# Altium PCB PCB.PcbDoc
Units mm, origin at the board's own origin, x right, y up, seen from the top; angles counter-clockwise.
Board outline 160 x 130 mm, 2 copper layers (Top Layer, Bottom Layer); 86 components, 57 nets, 311 pads, 21 vias.
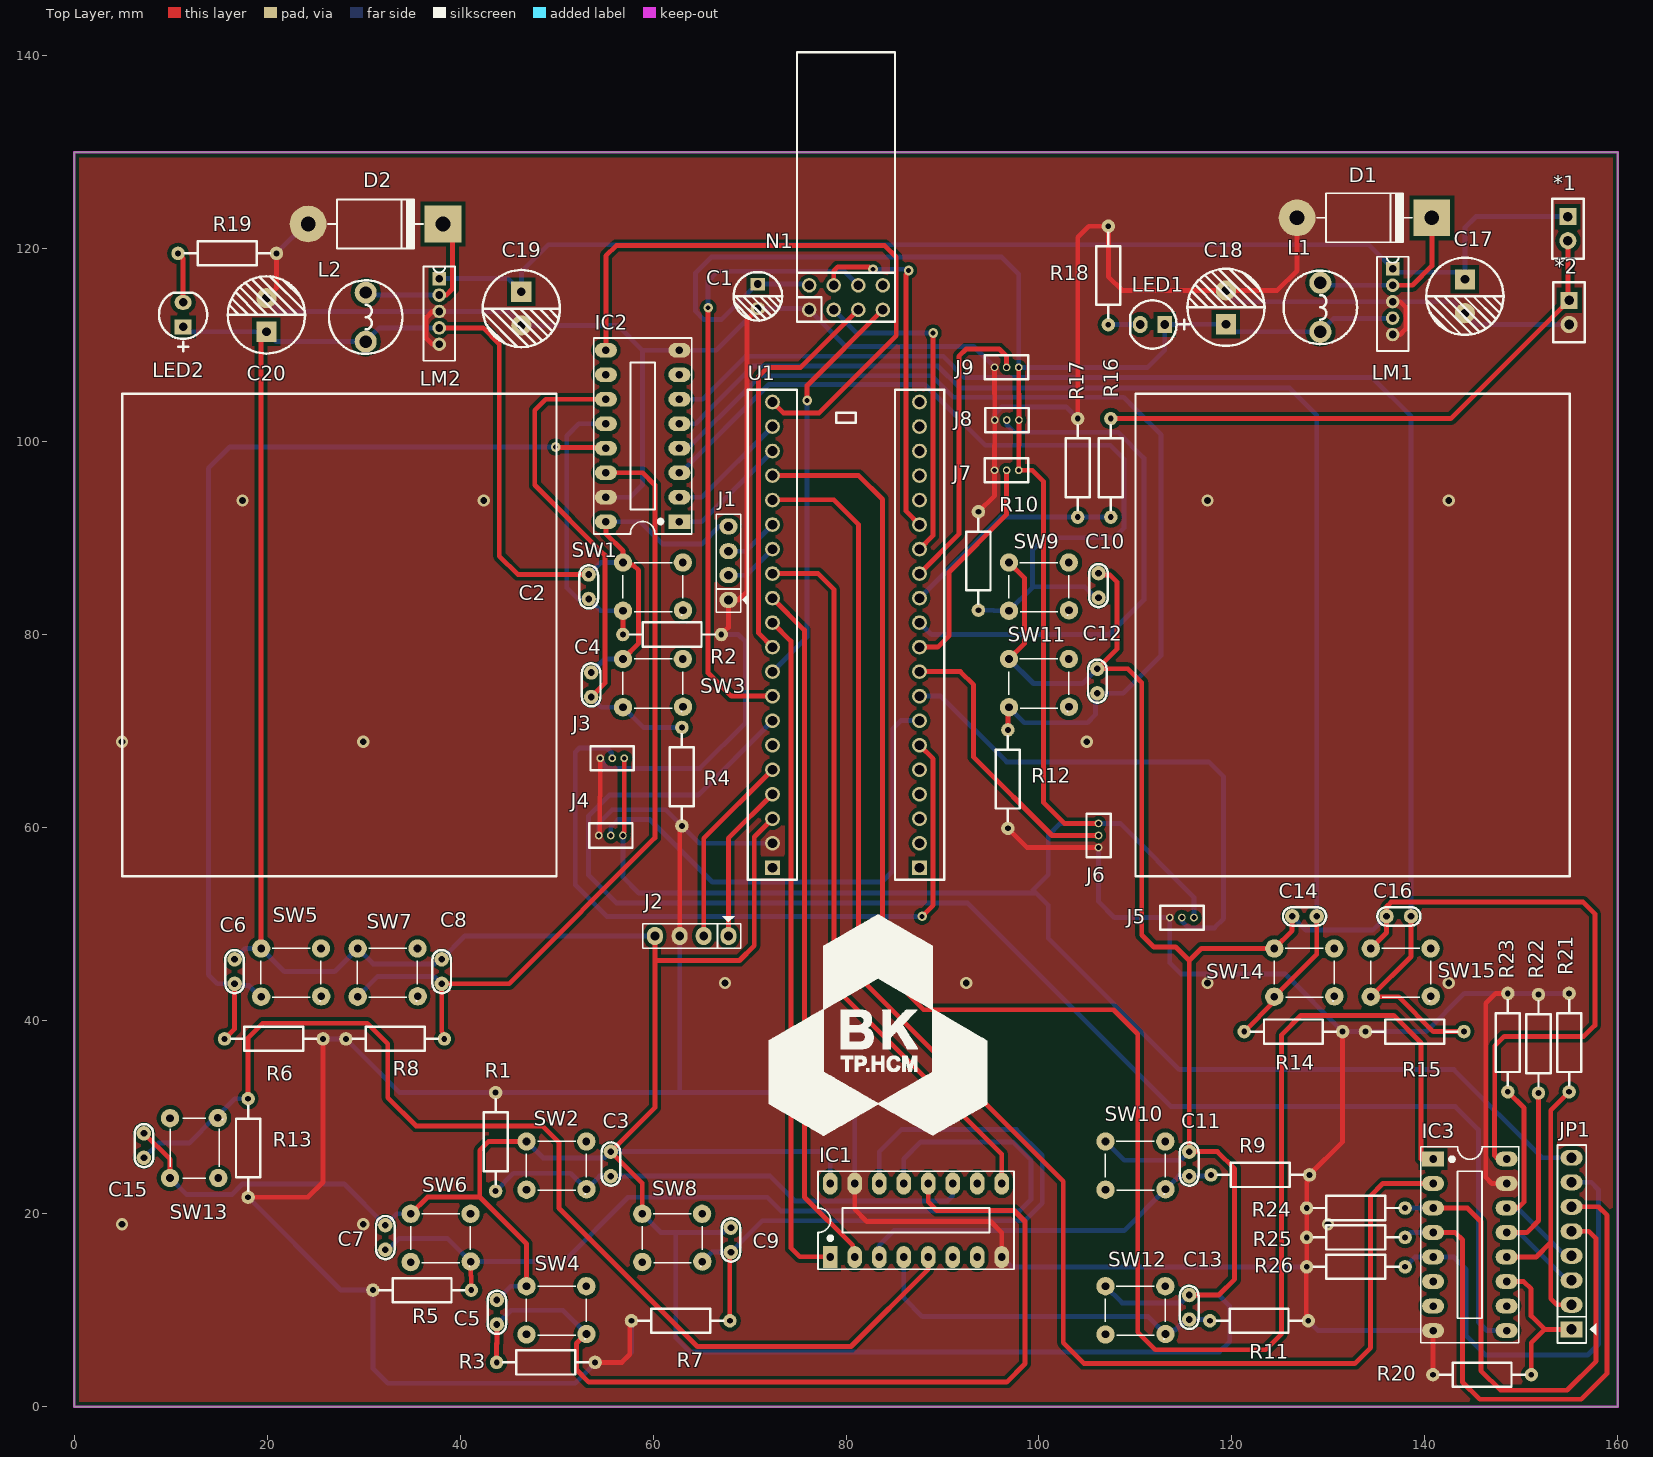
[diagram p0: Top Layer view]
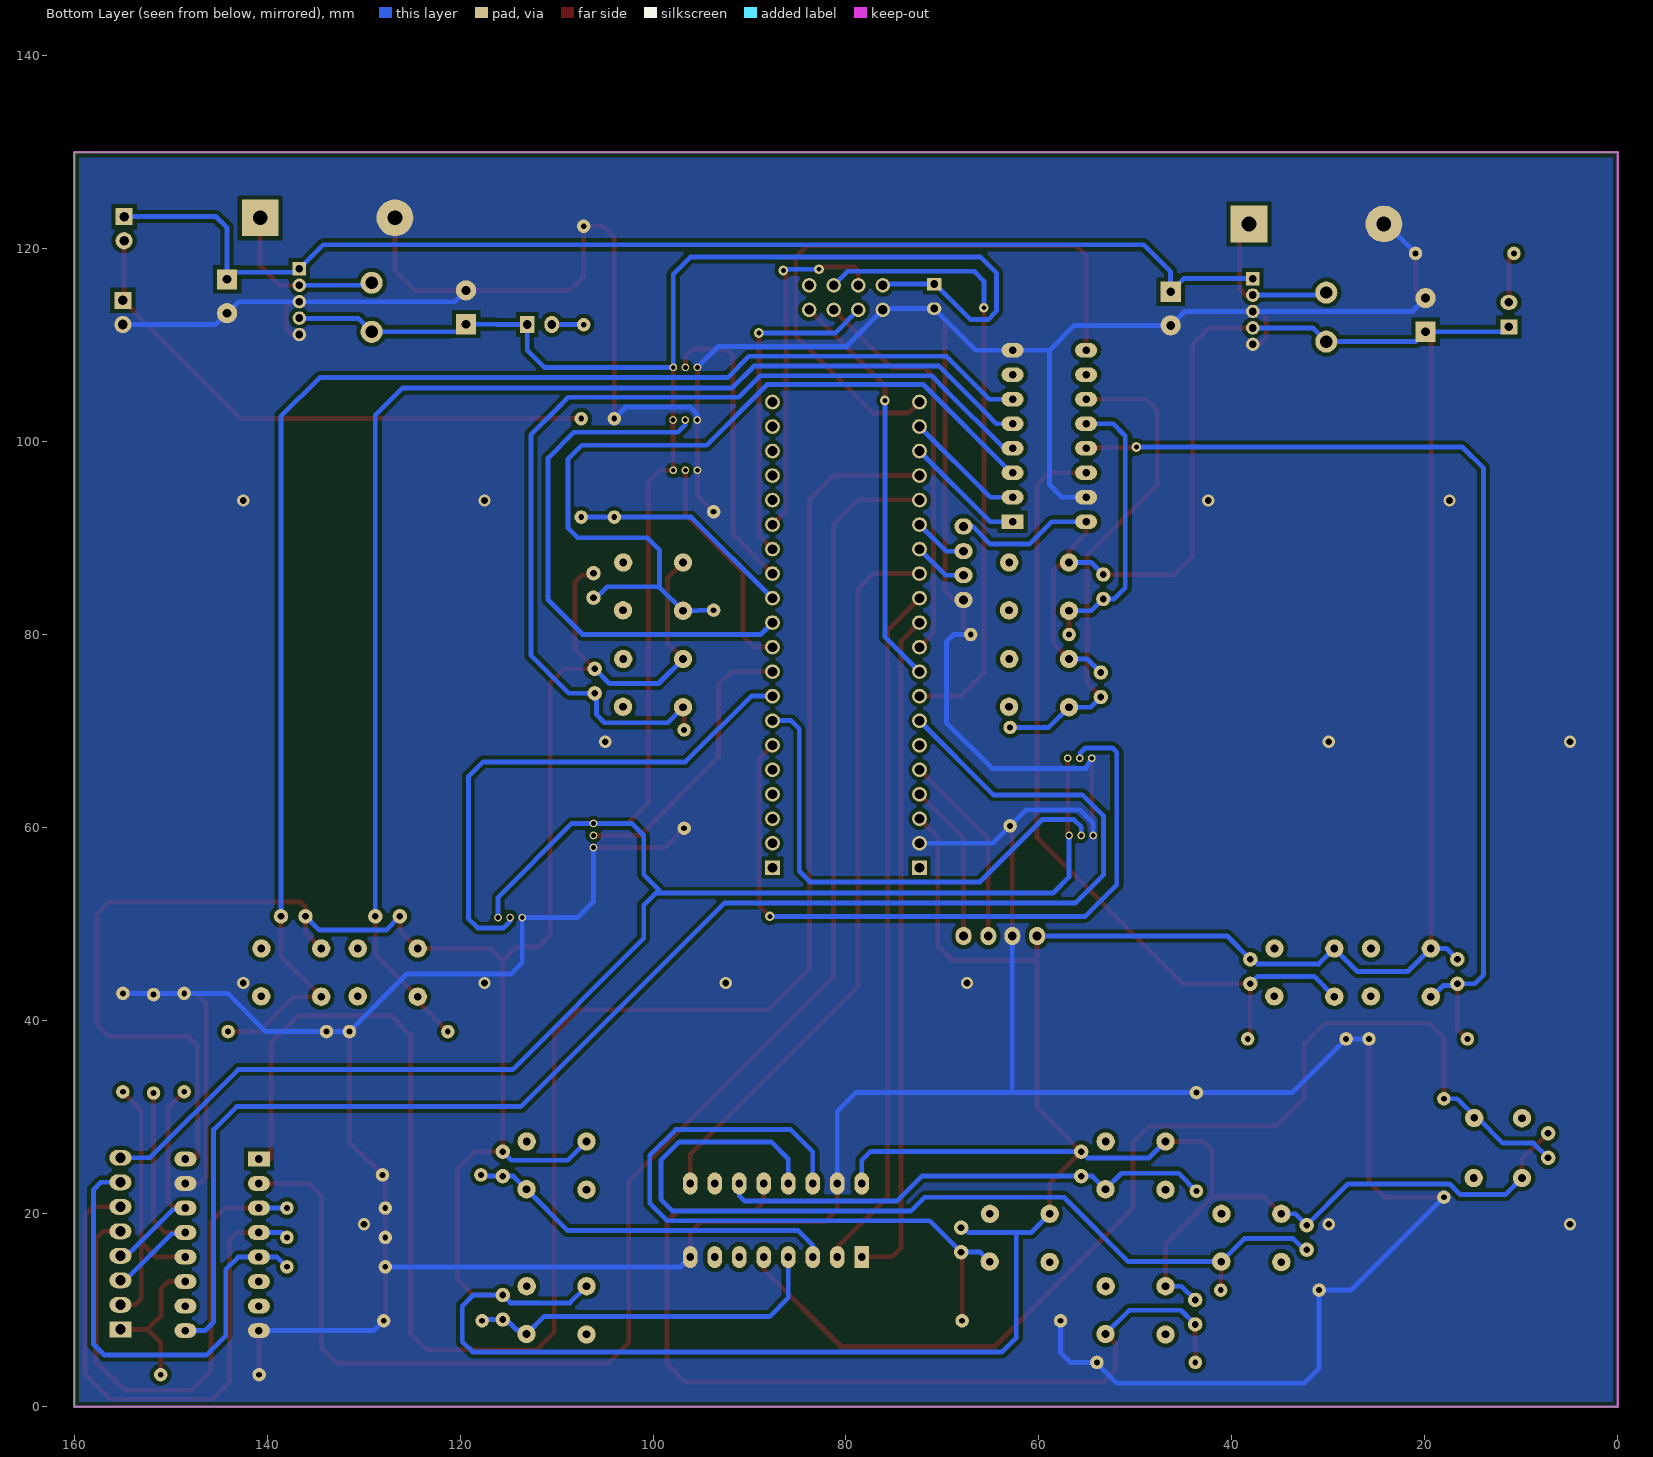
[diagram p1: Bottom Layer view, seen from below]
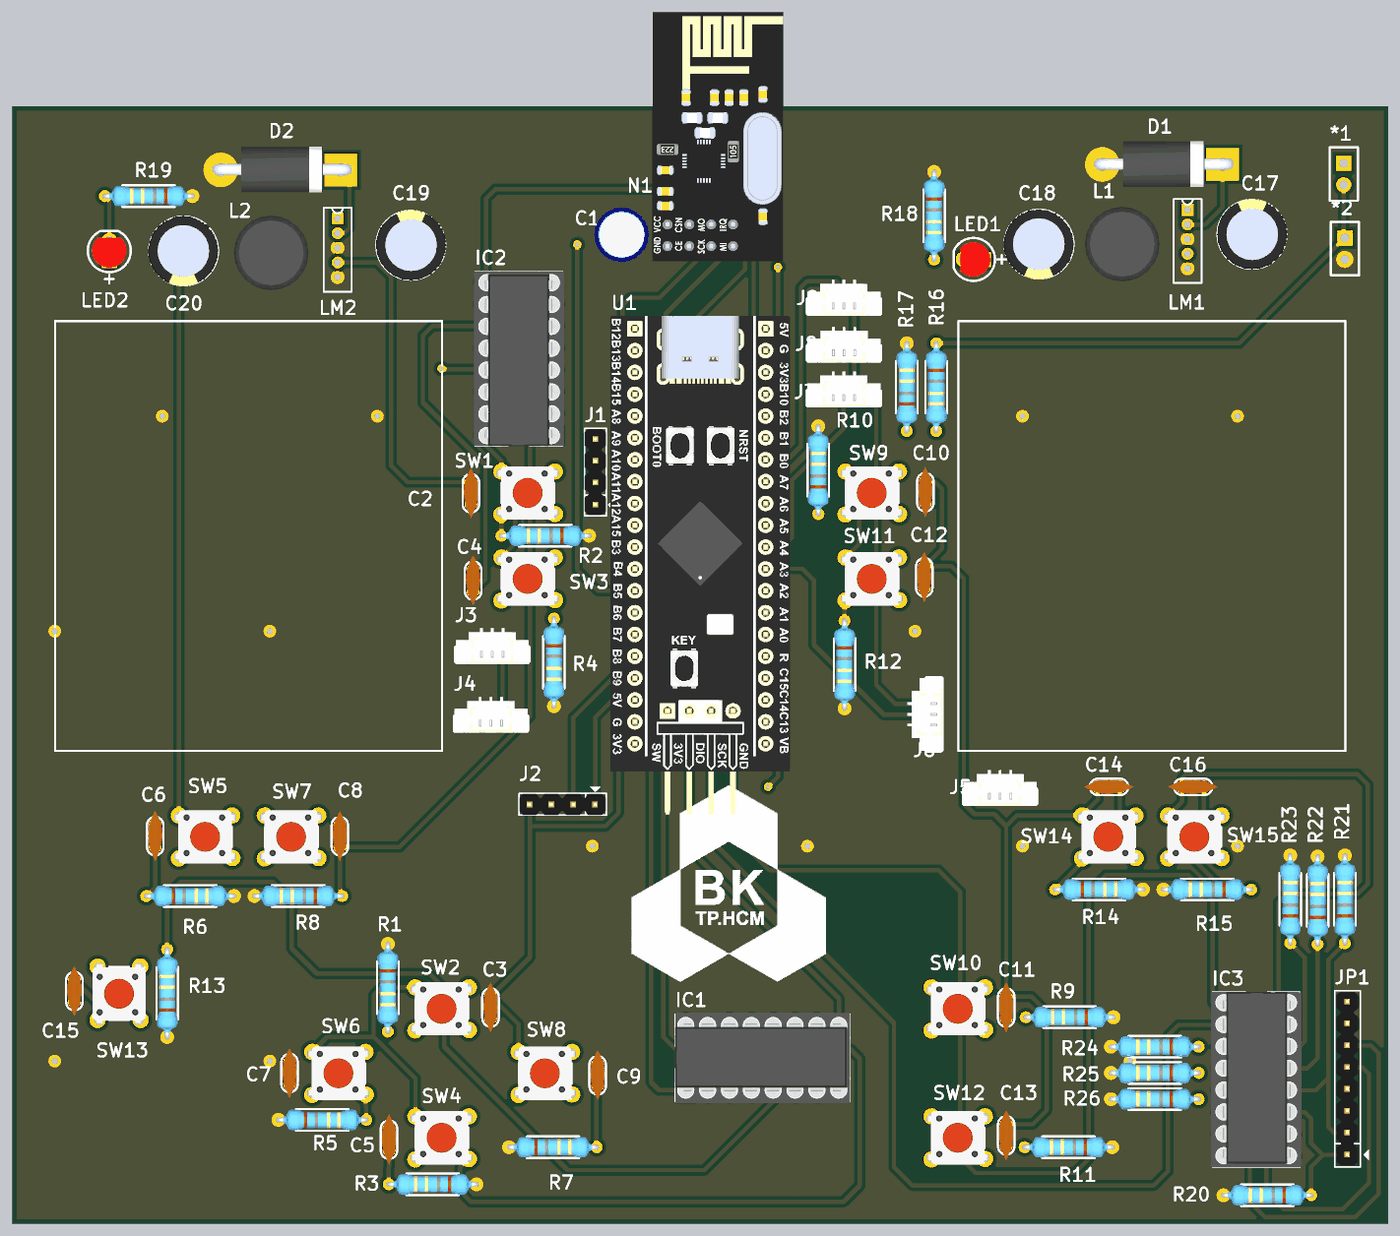
[diagram p2: 3D render of the assembled board from above, using the file's embedded part models]

## Layer stack, top to bottom
Top Solder: solder mask 0.0102, Solder Resist, Dk 3.5
Top Layer: signal copper 0.0356
Dielectric 1: dielectric 0.32, FR-4, Dk 4.8
Bottom Layer: signal copper 0.0356
Bottom Solder: solder mask 0.0102, Solder Resist, Dk 3.5

## Board outline
0,0 160,0 160,130 0,130

## Design rules (kind name [scope] priority, off if disabled: settings)
Clearance [All] p1: gap=0.4 ignorepadtopadclearanceinfootprint=FALSE
PlaneConnect [All] p1: planeconnectstyle=Direct reliefexpansion=0.508 reliefentries=4 reliefconductorwidth=0.254 reliefairgap=0.254
PolygonConnect [All] p1: connectstyle=Direct reliefconductorwidth=0.254 reliefentries=4 polygonreliefangle="90 Angle" airgapwidth=0.254
RoutingVias [All] p1: holewidth=0.5 width=1 viastyle="Through Hole" minholewidth=0 minwidth=0.5 maxholewidth=0.5 maxwidth=1
SolderMaskExpansion [All] p1: expansion=0.102 istentingtop=FALSE
Width [All] p1: maxlimit=1 minlimit=0.2 preferedwidth=0.5
29 further rules are at their usual default settings.

## Classes and differential pairs
component class SCH: *1 *2 C1 C2 C3 C4 C5 C6 C7 C8 C9 C10 C12 C15 C17 C18 C19 C20 D1 D2 IC1 IC2 J1 J2 J3 J4 J6 J7 J8 J9 L1 L2 LED1 LED2 LM1 LM2 N1 R1 R2 R3 R4 R5 R6 R7 R8 R10 R12 R13 R16 R17 R18 R19 SW1 SW2 SW3 SW4 SW5 SW6 SW7 SW8 SW9 SW11 SW13 U1

## Components (designator, comment, footprint, x,y, rotation, side; value= is the part's Value field where it differs from the comment)
*1 "SW_POWER" "jump don duc_2p" 154.737,121.97 r270 top
*2 "7.4V" "jump don duc_2p" 154.864,113.294 r270 top
C1 "100uF" "tu hoa 5mm" 70.866,115.09 r270 top
C2 "104" "tu gom" 53.34,84.991 r90 top
C3 "104" "tu gom" 55.626,25.174 r90 top
C4 "104" "tu gom" 53.594,74.831 r90 top
C5 "104" "tu gom" 43.815,9.807 r90 top
C6 "104" "tu gom" 16.637,45.113 r90 top
C7 "104" "tu gom" 32.258,17.554 r90 top
C8 "104" "tu gom" 38.1,45.113 r90 top
C9 "104" "tu gom" 68.072,17.3 r90 top
C10 "104" "tu gom" 106.172,85.118 r90 top
C11 "104" "tu gom" 115.57,25.174 r90 top
C12 "104" "tu gom" 106.045,75.212 r90 top
C13 "104" "tu gom" 115.57,10.315 r90 top
C14 "104" "tu gom" 127.508,50.828 r180 top
C15 "104" "tu gom" 7.239,27.079 r90 top
C16 "104" "tu gom" 137.287,50.828 r180 top
C17 "100uF" "tu hoa 8mm" 144.145,115.09 r270 top
C18 "1000uF" "tu hoa 8mm" 119.38,113.947 r90 top
C19 "100uF" "tu hoa 8mm" 46.355,113.82 r270 top
C20 "1000uF" "tu hoa 8mm" 19.939,113.157 r90 top
D1 "1N5822" D5A 140.716,123.218 r180 top value=1N5408
D2 "1N5822" D5A 38.227,122.583 r180 top value=1N5408
IC1 "74HC165" DIP16/W0.3 78.359,15.522 r0 top
IC2 "74HC165" DIP16/W0.3 62.738,91.722 r90 top
IC3 "74HC165" DIP16/W0.3 140.843,25.682 r270 top
J1 "2.54_4P" JP4 67.818,86.159 r90 top value="Jump Đơn Đực 2.54MM 1x40P Thẳng 11MM"
J2 "2.54_4P" JP4 65.278,48.796 r180 top value="Jump Đơn Đực 2.54MM 1x40P Thẳng 11MM"
J3 "1.25_4P" "ZH1.25 3P" 54.523,67.211 r90 top value="Jump Đơn Đực 2.54MM 1x40P Thẳng 11MM"
J4 "1.25_4P" "ZH1.25 3P" 54.376,59.21 r90 top value="Jump Đơn Đực 2.54MM 1x40P Thẳng 11MM"
J5 "1.25_4P" "ZH1.25 3P" 113.558,50.701 r90 top value="Jump Đơn Đực 2.54MM 1x40P Thẳng 11MM"
J6 "1.25_4P" "ZH1.25 3P" 106.172,57.96 r180 top value="Jump Đơn Đực 2.54MM 1x40P Thẳng 11MM"
J7 "1.25_4P" "ZH1.25 3P" 95.397,97.056 r90 top value="Jump Đơn Đực 2.54MM 1x40P Thẳng 11MM"
J8 "1.25_4P" "ZH1.25 3P" 95.417,102.263 r90 top value="Jump Đơn Đực 2.54MM 1x40P Thẳng 11MM"
J9 "1.25_4P" "ZH1.25 3P" 95.397,107.724 r90 top value="Jump Đơn Đực 2.54MM 1x40P Thẳng 11MM"
JP1 "2.54_8P" JP8 155.194,8.029 r90 top value="Jump Đơn Đực 2.54MM 1x40P Thẳng 11MM"
L1 "220uH" "CUON CAM 100uH3A" 129.159,113.947 r270 top
L2 "220uH" "CUON CAM 100uH3A" 30.226,112.931 r270 top
LED1 "LED 3mm Do" "LED 3mm Do" 111.76,112.169 r180 top
LED2 "LED 3mm Do" "LED 3mm Do" 11.303,113.185 r90 top
LM1 "3.3V" LM2576-5V 136.652,117.935 r0 top
LM2 "5V" LM2576-5V 37.846,116.919 r0 top
N1 "NRF24L01" NRF24L01 80,115 r90 top
R1 "10k" "tro vach 1/4w" 43.688,27.46 r90 top
R2 "10k" "tro vach 1/4w" 61.976,80.038 r0 top
R3 "10k" "tro vach 1/4w" 48.895,4.6 r0 top
R4 "10k" "tro vach 1/4w" 62.992,65.306 r90 top
R5 "10k" "tro vach 1/4w" 36.068,12.093 r180 top
R6 "10k" "tro vach 1/4w" 20.701,38.128 r180 top
R7 "10k" "tro vach 1/4w" 62.865,8.918 r180 top
R8 "10k" "tro vach 1/4w" 33.274,38.128 r0 top
R9 "10k" "tro vach 1/4w" 122.936,24.031 r0 top
R10 "10k" "tro vach 1/4w" 93.726,87.658 r270 top
R11 "10k" "tro vach 1/4w" 122.809,8.918 r0 top
R12 "10k" "tro vach 1/4w" 96.774,65.052 r90 top
R13 "10k" "tro vach 1/4w" 18.034,26.825 r270 top
R14 "10k" "tro vach 1/4w" 126.365,38.89 r180 top
R15 "10k" "tro vach 1/4w" 138.938,38.89 r0 top
R16 "51k" "tro vach 1/4w" 107.442,97.31 r90 top
R17 "33k" "tro vach 1/4w" 104.013,97.31 r270 top
R18 "33k" "tro vach 1/4w" 107.188,117.249 r90 top
R19 "33k" "tro vach 1/4w" 15.875,119.535 r0 top
R20 "10k" "tro vach 1/4w" 145.923,3.33 r0 top
R21 "10k" "tro vach 1/4w" 154.94,37.747 r270 top
R22 "10k" "tro vach 1/4w" 151.765,37.62 r270 top
R23 "10k" "tro vach 1/4w" 148.59,37.747 r270 top
R24 "10k" "tro vach 1/4w" 132.842,20.602 r0 top
R25 "10k" "tro vach 1/4w" 132.842,17.554 r0 top
R26 "10k" "tro vach 1/4w" 132.842,14.506 r0 top
SW1 "Nut Nhan 4 Chan" SW4 60,85 r0 top value="Nút Nhấn 4 Chân 6x6x9MM DIP"
SW2 "Nut Nhan 4 Chan" SW4 50,25 r0 top value="Nút Nhấn 4 Chân 6x6x9MM DIP"
SW3 "Nut Nhan 4 Chan" SW4 60,75 r0 top value="Nút Nhấn 4 Chân 6x6x9MM DIP"
SW4 "Nut Nhan 4 Chan" SW4 50,10 r0 top value="Nút Nhấn 4 Chân 6x6x9MM DIP"
SW5 "Nut Nhan 4 Chan" SW4 22.5,45 r0 top value="Nút Nhấn 4 Chân 6x6x9MM DIP"
SW6 "Nut Nhan 4 Chan" SW4 38,17.5 r0 top value="Nút Nhấn 4 Chân 6x6x9MM DIP"
SW7 "Nut Nhan 4 Chan" SW4 32.5,45 r0 top value="Nút Nhấn 4 Chân 6x6x9MM DIP"
SW8 "Nut Nhan 4 Chan" SW4 62,17.5 r0 top value="Nút Nhấn 4 Chân 6x6x9MM DIP"
SW9 "Nut Nhan 4 Chan" SW4 100,85 r0 top value="Nút Nhấn 4 Chân 6x6x9MM DIP"
SW10 "Nut Nhan 4 Chan" SW4 110,25 r0 top value="Nút Nhấn 4 Chân 6x6x9MM DIP"
SW11 "Nut Nhan 4 Chan" SW4 100,75 r0 top value="Nút Nhấn 4 Chân 6x6x9MM DIP"
SW12 "Nut Nhan 4 Chan" SW4 110,10 r0 top value="Nút Nhấn 4 Chân 6x6x9MM DIP"
SW13 "Nut Nhan 4 Chan" SW4 12.446,26.825 r90 top value="Nút Nhấn 4 Chân 6x6x9MM DIP"
SW14 "Nut Nhan 4 Chan" SW4 127.5,45 r0 top value="Nút Nhấn 4 Chân 6x6x9MM DIP"
SW15 "Nut Nhan 4 Chan" SW4 137.5,45 r0 top value="Nút Nhấn 4 Chân 6x6x9MM DIP"
U1 "STM32F401CCU6" STM32F401CCU6 80,80 r0 top locked

## Footprints (in the part's own frame and the unit in brackets; to place one, negate y for a bottom-side part, rotate by r counter-clockwise, add the part's x,y. Pads: shape width x height; smd on the part's side, far side on the other; paste and mask are expansions set on the pad)
"CUON CAM 100uH3A" [mil] "100uH3A"
  round 90 hole 50: 1(-100,0) 2(100,0)
  silkscreen extent -150,-150 150,150, body extent -171,-175 171,167, height 394
D5A [mil] "Diode 5A, W 200mil, L 550mil"
  round 150 hole 60: 1(550,0)
  rect 150x150 hole 60: 2(0,0)
  silkscreen extent 80,-100 470,100, body extent -52,-106 590,103, height 254
DIP16/W0.3 [mil] "16 PIN, W 300mil, Pin to pin 100mil"
  rect 60x90 hole 31: 1(0,0)
  oval 60x90 hole 31: 2(100,0) 3(200,0) 4(300,0) 5(400,0) 6(500,0) 7(600,0) 8(700,0) 9(700,300) 10(600,300) 11(500,300) 12(400,300) 13(300,300) 14(200,300) 15(100,300) 16(0,300)
  silkscreen extent -50,-50 750,350, body extent -52,-57 752,356, height 299
JP4 [mil] "Jumper 4"
  oval 65x75 hole 36: 1(-100,0) 2(1,0) 3(99,0) 4(200,0)
  silkscreen extent -150,-81 250,50, body extent -148,-48 248,50, height 323
JP8 [mil] "JP8"
  rect 65x90 hole 42: 1(0,0)
  oval 65x90 hole 42: 2(100,0) 3(200,0) 4(300,0) 5(400,0) 6(500,0) 7(600,0) 8(700,0)
  silkscreen extent -56,-100 752,57, body extent -48,-50 748,48, height 323
"jump don duc_2p" [mil]
  rect 70x70 hole 39.37 unplated: 1(-54.15,3)
  round 70 hole 39.37 unplated: 2(44.28,3)
  silkscreen extent -128,-61 117,67
"LED 3mm Do" [mil] "Footprintf LED phi 3"
  rect 60x70 hole 35: 1(-50,0)
  oval 60x70 hole 35: 2(50,0)
  silkscreen extent -150,-98 90,98, body extent -77,-78 60,78, height 205
LM2576-5V [mm]
  rect 1.4x1.4 hole 0.8 unplated: 1(0,0)
  round 1.4 hole 0.8: 2(0,-1.702) 3(0,-3.404) 4(0,-5.106) 5(0,-6.808)
  silkscreen extent -1.63,-8.51 1.64,1.25, body extent -1.86,-8.31 2.46,1.6, height 20.47
NRF24L01 [mm]
  round 1.5 hole 1: 1(-1.32,3.81) 2(1.22,3.81) 3(-1.32,1.27) 4(1.22,1.27) 5(-1.32,-1.27) 6(1.22,-1.27) 7(-1.32,-3.81) 8(1.22,-3.81)
  silkscreen extent -2.54,-5.08 25.4,5.08, body extent -3.07,-9.62 25.93,5.58, height 9.75
STM32F401CCU6 [mil]
  rect 60x60 hole 39.37: 1(300,-950) 47(-300,-950)
  round 60 hole 39.37: 2(300,-850) 3(300,-750) 4(300,-650) 7(300,650) 8(-300,-750) 9(-300,-850) 10(300,-450) 11(300,-350) 12(300,-250) 13(300,-150) 14(300,-50) 15(300,50) 16(300,150) 17(300,250) 18(300,-550) 19(300,350) 21(300,450) 22(300,550) 25(-300,950) 26(-300,850) 27(-300,750) 28(-300,650) 29(-300,550) 30(-300,450) 31(-300,350) 32(-300,250) 33(-300,150) 35(300,850) 36(300,950) 38(-300,50) 39(-300,-50) 40(-300,-150) 41(-300,-250) 42(-300,-350) 43(-300,-450) 45(-300,-550) 46(-300,-650) 48(300,750)
  silkscreen extent -400,-1000 400,1000, body extent -411,-1275 411,1008, height 390
SW4 [mil] "SW button 4pin, 250 x250 mil"
  round 75 hole 31: 1(-122.5,98.43) 2(122.5,-96.57) 3(121.59,98.43) 4(-122.5,-98.42)
  silkscreen extent -123,-117 121,98, body extent -158,-122 153,123, height 276
"tro vach 1/4w" [mm]
  round 1.4 hole 0.6: 1(-5.1,0) 2(5.1,0)
  silkscreen extent -4.39,-1.25 4.42,1.25, body extent -5.38,-1.2 5.38,1.2, height 2.41
"tu gom" [mm] "Tu gom mini"
  round 1.5 hole 0.7: 1(-1.27,0) 2(1.27,0)
  silkscreen extent -2.25,-0.97 2.22,0.97, body extent -2.92,-0.85 2.92,0.85, height 6.12
"tu hoa 5mm" [mm]
  rect 1.3x1.5 hole 0.8: 1(-1.27,0)
  oval 1.3x1.5 hole 0.8: 2(1.27,0)
  silkscreen extent -2.51,-2.51 2.51,2.51, body extent -3.12,-3.18 3.23,3.18, height 14.55
"tu hoa 8mm" [mm]
  rect 2.1x2.1 hole 0.9: 1(-1.75,0)
  round 2.1 hole 0.9: 2(1.75,0)
  silkscreen extent -4,-4 4,4, body extent -4.1,-4.07 4.1,4.13, height 13.81
"ZH1.25 3P" [mm]
  round 0.8 hole 0.5 unplated: 1(0,0)
  round 0.8 hole 0.5: 2(0,-1.25) 3(0,-2.5)
  silkscreen extent -1.25,-3.5 1.25,1, body extent -2.1,-5.75 2.1,3.15, height 4.7

## Part data
*1 *2: library part "jump don duc 2.54_2p"
C1: library part "Tu Hoa 100uF 25V 6x11", "Cắm", Chung_Loai=Cắm, Don_Vi=Con, Ma_Hang=MH001351, So_Chan=2, Ten_Linh_Kien="Tụ Hóa 100uF 25V 6x11MM"
C2 C3 C4 C5 C6 C7 C8 C9 C10 C11 C12 C13 C14 C15 C16: library part "Tu gom 104 50V", "Cắm", Chung_Loai=Cắm, Don_Vi=Con, Ma_Hang=MH004761, So_Chan=2, Ten_Linh_Kien="Tụ gốm 104 100nF 50V"
C17 C19: library part "Tu Hoa 100uF 50V 8x11", "Cắm", Chung_Loai=Cắm, Don_Vi=Con, Ma_Hang=MH006872, So_Chan=2, Ten_Linh_Kien="Tụ Hóa 100uF 50V 8x11MM"
C18 C20: library part "Tu Hoa 1000uF 16V 8x20", "Cắm", Chung_Loai=Cắm, Don_Vi=Con, Ma_Hang=MH008300, So_Chan=2, Ten_Linh_Kien="Tụ Hóa 1000uF 16V 8x20MM"
D1 D2: library part D5A, "Diode 5A"
IC1 IC2 IC3: "8-Bit Parallel In/Serial Out Shift Register"
J1 J2: library part "Jum Don Duc 2.54_4P", "Cắm", Chung_Loai=Cắm, Don_Vi=Con, Ma_Hang=MH000903
J3 J4 J5 J6 J7 J8 J9: library part "ZH1.25 3P", "Cắm", Chung_Loai=Cắm, Don_Vi=Con, Ma_Hang=MH000903
JP1: library part "Jum Don Duc 2.54_8P", "Cắm", Chung_Loai=Cắm, Don_Vi=Con, Ma_Hang=MH000903
L1 L2: library part "CUON CAM 470uH DIP", "Cắm", Chung_Loai=Cắm, Don_Vi=Con, Ma_Hang=MH002232, Ten_Linh_Kien="Cuộn Cảm 470uH 3A 8x10MM"
LED1 LED2 SW1 SW2 SW3 SW4 SW5 SW6 SW7 SW8 SW9 SW10 SW11 SW12 SW13 SW14 SW15: "Cắm", Don_Vi=Con
  LED1 LED2: Chung_Loai=Cắm, Ma_Hang=MH004931, Ten_Linh_Kien="LED 3MM Sáng Đỏ ( SS)"
  SW1 SW2 SW3 SW4 SW5 SW6 SW7 SW8 SW9 SW10 SW11 SW12 SW13 SW14 SW15: Ma_Hang=MH004077
LM1: library part LM2576_3.3V., "Cắm", Chung_Loai=Dán, Don_Vi=Con, Ma_Hang=MH001260, Ten_Linh_Kien="LM2576S-3.3V BUCK 3.3V 3A TO263-5"
LM2: library part LM2576_5V, "Cắm", Chung_Loai=Dán, Don_Vi=Con, Ma_Hang=MH001260, Ten_Linh_Kien="LM2576S-3.3V BUCK 3.3V 3A TO263-5"
R1 R2 R3 R4 R5 R6 R7 R8 R9 R10 R11 R12 R13 R14 R15 R16 R17 R18 R19 R20 R21 R22 R23 R24 R25 R26: library part "Tro Vach 1/4W 5% 10k", "Căm", Chung_Loai=Cắm, Don_Vi=Con, Ma_Hang=MH007354, So_Chan=2, Ten_Linh_Kien="Trở Vạch 1/4w 5% 10K"

## Via types
v1: diameter 1.27, hole 0.7, Top Layer to Bottom Layer, 14 vias
v2: diameter 1, hole 0.5, Top Layer to Bottom Layer, 7 vias

## Nets (pads, with @x,y where several pads share a name; then routed paths per layer and width w, separated by ;. In a path a pad name is that pad's centre, name@x,y a point inside that pad or via, vN(x,y) a via of type N, cw(c..) or ccw(c..) an arc to the next point about the centre after c; other vN are vias at no path point)
1: IC3.11 JP1.1 R20.2 | length 15.7
  Top Layer w0.5: IC3.11 150.241,12.982 151.003,12.22 151.003,9.426 152.41,8.019 ; R20.2 151.023,6.632 152.42,8.029 JP1.1
2: IC3.12 JP1.2 R21.2 | length 29.9
  Top Layer w0.5: IC3.12 151.511,15.522 153.035,17.046 ; R21.2 153.035,30.742 153.035,17.046 ; JP1.2 155.183,10.58 153.659,10.58 153.035,11.204 153.035,17.046
3: IC3.13 JP1.3 R22.2 | length 25.8
  Top Layer w0.5: IC3.13 150.548,18.062 151.765,19.279 R22.2
  Bottom Layer w0.5: IC3.13 148.588,17.937 149.858,17.937 154.686,13.109 JP1.3
3.3V: C1.1 C18.1 J3.3 J4.3 J5.3 J6.3 J7.3 J8.3 J9.3 JP1.8 L1.2 LED1.1 LM1.4 N1.2 | length 311.4
  Top Layer w0.5: J4.3 56.933,59.267 56.933,59.48 57.023,59.569 57.023,65.069 J3.3 ; J9.3 97.897,105.001 97.917,104.981 J8.3 97.917,99.667 97.897,99.647 J7.3 99.314,97.056 100.457,95.913 100.457,62.639 102.636,60.46 J6.3
  Bottom Layer w0.5: J4.3 56.876,54.912 58.547,53.241 99.718,53.241 ; N1.2 76.064,116.346 70.88,116.346 C1.1 70.766,116.36 70.366,115.96 67.083,112.677 65.281,112.677 64.417,113.541 64.417,117.531 66.04,119.154 96.139,119.154 97.897,117.396 J9.3 111.252,107.724 113.03,109.502 LED1.1 116.182,112.169 116.21,112.197 C18.1 120.17,111.407 L1.2 130.556,112.804 136.627,112.804 LM1.4 ; J5.3 116.058,52.806 108.404,60.46 J6.3 102.215,60.46 100.965,59.21 100.965,55.146 99.389,53.57 99.718,53.241 ; JP1.8 152.146,25.809 143.002,34.953 114.554,34.953 100.965,48.542 100.965,51.994 99.718,53.241
4: IC3.14 JP1.4 R23.2 | length 23
  Top Layer w0.5: IC3.14 149.634,20.602 150.269,21.237 150.269,30.968 R23.2
  Bottom Layer w0.5: IC3.14 148.651,20.414 149.794,20.414 154.339,15.869 154.974,15.869 JP1.4
5: IC3.3 JP1.5 R24.2 | length 53.5
  Top Layer w0.5: IC3.3 144.399,20.602 145.796,19.205 145.796,3.75 147.837,1.708 154.718,1.708 157.734,4.724 157.734,17.427 156.972,18.189 JP1.5
  Bottom Layer w0.5: R24.2 IC3.3
5V: C2.2 C3.2 C4.2 C5.2 C6.2 C7.2 C8.2 C9.2 C10.2 C11.2 C12.2 C13.2 C14.2 C15.2 C16.2 C20.1 IC1.16 IC2.16 IC3.16 J1.4 J2.4 L2.2 LED2.1 LM2.4 SW1.1 SW2.1 SW3.1 SW4.1 SW5.1 SW6.1 SW7.1 SW8.1 SW9.1 SW10.1 SW11.1 SW12.1 SW13.1 SW14.1 SW15.1 U1.8 | length 685.5
  Top Layer w0.5: C15.2 9.946,25.642 SW13.1 ; SW5.1 19.383,47.5 19.383,110.851 C20.1 ; SW6.1 36.633,21.745 42.037,21.745 ; LM2.4 42.393,111.813 44.072,110.134 44.072,88.163 45.974,86.261 C2.2 ; 42.09,21.745 42.037,21.745 ; SW4.1 46.889,16.893 42.037,21.745 ; SW2.1 42.966,27.5 42.037,26.571 42.037,21.745 ; IC2.16 55.118,90.495 56.888,88.725 SW1.1 57.157,87.231 57.958,87.231 58.499,86.69 58.499,79.11 SW3.1 ; SW8.1 58.888,23.182 C3.2 60.198,31.016 60.198,46.256 ; J2.4 60.198,46.256 ; U1.8 70.485,59.055 70.485,47.78 68.961,46.256 60.198,46.256 ; SW11.1 98.491,79.103 98.491,85.897 SW9.1 ; C10.2 106.363,86.197 107.379,86.197 108.077,85.499 108.077,78.514 C12.2 109.22,76.482 110.645,75.057 110.645,48.895 111.887,47.653 114.173,47.653 115.57,46.256 ; C13.2 118.618,11.585 120.269,13.236 120.269,24.666 118.491,26.444 C11.2 115.57,38.636 115.57,46.256 ; C14.2 126.238,49.35 SW14.1 116.814,47.5 115.57,46.256 ; SW15.1 136.017,49.128 C16.2 136.017,51.829 136.489,52.301 156.388,52.301 157.607,51.082 157.607,39.525 156.464,38.382 148.209,38.382 147.24,37.413 147.24,30.936 147.221,30.917 147.221,26.012 147.551,25.682 IC3.16
  Bottom Layer w0.5: SW13.1 11.66,21.999 16.36,21.999 17.452,23.091 27.991,23.091 C7.2 33.434,20 SW6.1 ; LED2.1 11.811,111.407 C20.1 20.955,110.391 L2.2 31.648,111.813 LM2.4 ; C6.2 17.754,47.5 SW5.1 21.775,45.113 27.002,45.113 SW7.1 30.991,45.897 37.344,45.897 37.829,46.383 C8.2 40.513,48.796 J2.4 ; C5.2 45.238,12.5 SW4.1 ; SW2.1 48.605,25.784 54.966,25.784 C3.2 77.47,26.444 78.359,25.555 IC1.16 ; C2.2 54.579,87.5 SW1.1 ; C4.2 54.993,77.5 SW3.1 ; IC2.16 58.674,91.722 60.986,89.41 65.052,89.41 66.881,91.239 J1.4 ; SW8.1 60.826,18.062 62.357,18.062 ; C9.2 67.801,18.57 67.293,18.062 62.357,18.062 ; SW11.1 99.43,74.958 104.521,74.958 C12.2 ; SW12.1 108.616,10.772 114.757,10.772 C13.2 118.618,11.585 119.761,10.442 119.761,6.759 118.694,5.692 63.805,5.692 62.357,7.14 62.357,18.062 ; SW10.1 108.833,25.555 114.681,25.555 C11.2 ; C14.2 127.66,49.406 134.595,49.406 C16.2
6: IC3.4 JP1.6 R25.2 | length 58.5
  Top Layer w0.5: IC3.4 143.129,18.062 143.891,17.3 143.891,2.568 145.682,0.777 156.197,0.777 158.877,3.457 158.877,19.84 157.988,20.729 JP1.6
  Bottom Layer w0.5: R25.2 138.45,18.062 IC3.4
7: IC3.5 JP1.7 R26.2 | length 48.3
  Bottom Layer w0.5: R26.2 138.958,15.522 IC3.5 143.005,15.522 144.275,14.252 144.275,7.369 146.281,5.362 156.845,5.362 157.988,6.505 157.988,22.507 157.226,23.269 JP1.7
B: C5.1 IC1.12 R3.1 SW4.2 | length 94.4
  Top Layer w0.5: R3.1 43.795,6.556 43.815,6.576 C5.1 ; SW4.2 53.022,7.547 52.07,6.595 52.07,3.838 53.34,2.568 96.647,2.568 98.552,4.473 98.552,19.205 97.409,20.348 89.408,20.348 88.519,21.237 IC1.12
  Bottom Layer w0.5: C5.1 45.281,10.003 50.656,10.003 SW4.2
BAT: *1.2 *2.1 R16.2 | length 58.8
  Top Layer w0.5: R16.2 142.681,102.41 *2.1 154.813,114.796 *1.2
CH1+: C2.1 IC2.12 R2.1 SW1.4 | length 29.6
  Top Layer w0.5: R2.1 56.876,81.257 56.888,81.27 SW1.4
  Bottom Layer w0.5: IC2.12 52.324,101.882 51.054,100.612 51.054,84.864 52.197,83.721 C2.1 54.561,82.5 SW1.4
CH1-: C4.1 IC2.11 R4.2 SW3.4 | length 51.9
  Top Layer w0.5: C4.1 55.019,74.986 55.019,88.265 47.752,95.532 47.752,103.279 48.895,104.422 IC2.11
  Bottom Layer w0.5: C4.1 54.655,72.5 SW3.4 58.982,70.406 R4.2
CH2+: C6.1 IC2.13 R6.2 SW5.4 | length 107.2
  Top Layer w0.5: R6.2 16.637,39.164 C6.1 ; v2(49.904,99.469) 49.967,99.405 55.054,99.405 IC2.13
  Bottom Layer w0.5: SW5.4 19.284,42.5 18.132,43.652 16.828,43.652 C6.1 14.859,43.843 13.923,44.779 13.923,97.263 16.129,99.469 v2(49.904,99.469)
CH2-: C8.1 IC2.14 R8.2 SW7.4 | length 86.3
  Top Layer w0.5: R8.2 38.202,38.3 38.202,38.769 38.1,38.871 C8.1 45.088,43.843 60.201,58.956 60.201,95.532 58.931,96.802 IC2.14
  Bottom Layer w0.5: SW7.4 31.494,44.605 37.307,44.605 38.069,43.843 C8.1
CH3+: C10.1 IC2.3 R10.2 SW9.4 | length 88.4
  Bottom Layer w0.5: IC2.3 62.865,96.802 72.009,105.946 88.143,105.946 94.442,99.647 107.391,99.647 108.816,98.222 108.816,91.087 107.8,90.071 100.612,90.071 99.342,88.801 99.342,84.954 SW9.4 95.336,82.5 95.278,82.558 R10.2 ; 99.342,84.991 104.758,84.991 105.901,83.848 C10.1
CH3-: C12.1 IC2.4 R12.2 SW11.4 | length 101.3
  Top Layer w0.5: R12.2 96.774,72.385 SW11.4
  Bottom Layer w0.5: IC2.4 62.934,99.538 63.823,99.538 69.596,105.311 71.131,106.846 88.889,106.846 91.11,104.625 108.763,104.625 109.982,103.406 112.649,100.739 112.649,77.879 108.712,73.942 C12.1 105.854,73.751 105.854,71.719 105.029,70.894 98.494,70.894 SW11.4
CH4+: C14.1 IC2.5 R14.2 SW14.4 | length 137.6
  Top Layer w0.5: R14.2 124.388,42.013 SW14.4 128.778,46.89 C14.1
  Bottom Layer w0.5: IC2.5 64.411,101.882 65.092,102.563 65.092,102.585 70.358,107.851 89.535,107.851 91.796,105.59 125.959,105.59 128.778,102.771 C14.1
CH4-: C16.1 IC2.6 R15.2 SW15.4 | length 153.3
  Top Layer w0.5: C16.1 138.557,46.668 SW15.4 137.264,42.5 140.874,38.89 R15.2
  Bottom Layer w0.5: IC2.6 65.151,104.422 69.596,108.867 90.061,108.867 92.271,106.657 134.544,106.657 138.557,102.644 C16.1
EXIT: C13.1 IC1.4 R11.1 SW12.2 | length 38.2
  Bottom Layer w0.5: IC1.4 85.979,11.283 87.912,9.35 111.309,9.35 SW12.2 113.492,7.547 113.906,7.961 114.105,7.961 114.819,8.675 114.929,8.675 115.299,9.045 117.582,9.045 R11.1
GND: *2.2 C1.2 C17.2 C18.2 C19.2 C20.2 D1.1 D2.1 IC1.8 IC1.15 IC2.8 IC2.15 IC3.8 IC3.15 J1.1 J2.3 J3.1 J4.1 J5.1 J6.1 J7.1 J8.1 J9.1 LM1.3 LM1.5 LM2.3 LM2.5 N1.1 R1.2 R2.2 R3.2 R4.1 R5.2 R6.1 R7.2 R8.1 R9.2 R10.1 R11.2 R12.1 R13.2 R14.1 R15.1 R17.1 R18.2 R19.2 R20.1 R21.1 R22.1 R23.1 R24.1 R25.1 R26.1 U1.9 | length 714
  Top Layer w0.5: R13.2 24.237,21.725 25.801,23.289 R6.1 ; C20.2 20.975,115.943 R19.2 ; LM2.5 37.112,110.111 36.477,110.746 36.477,112.88 37.112,113.515 LM2.3 ; R3.2 56.769,4.6 57.593,5.424 57.593,8.746 R7.2 ; J4.1 54.433,59.267 54.433,59.48 54.483,59.529 54.483,63.229 54.523,63.269 J3.1 ; J2.3 62.763,59.463 62.82,59.519 62.82,60.034 R4.1 ; R2.2 67.818,80.78 J1.1 68.862,83.619 69.726,84.483 69.726,112.68 C1.2 ; IC1.15 80.899,20.475 82.169,19.205 94.996,19.205 96.139,18.062 IC1.8 ; R10.1 95.397,94.429 J7.1 95.397,99.647 95.417,99.667 J8.1 95.417,104.981 95.397,105.001 J9.1 ; R12.1 98.766,57.96 J6.1 ; R17.1 104.013,121.186 105.176,122.349 R18.2 107.188,117.122 108.613,115.697 C18.2 124.686,115.697 126.746,117.757 D1.1 ; R11.2 127.737,9.09 127.737,9.614 127.689,9.661 127.689,14.454 R26.1 R25.1 R24.1 127.742,22.151 127.742,23.288 127.864,23.41 127.864,23.859 R9.2 131.465,27.46 R14.1 ; LM1.5 137.442,111.127 138.026,111.711 138.026,113.947 137.442,114.531 LM1.3 ; R20.1 140.823,5.591 140.843,5.611 IC3.8 ; IC3.15 146.942,23.142 146.307,23.777 146.307,41.814 147.34,42.847 R23.1
  Bottom Layer w0.5: R13.2 27.666,12.093 R5.2 30.968,3.985 32.512,2.441 51.943,2.441 53.995,4.493 R3.2 56.769,4.6 57.765,5.596 R7.2 ; C20.2 21.331,113.515 LM2.3 44.91,113.515 C19.2 56.337,112.07 58.905,109.502 ; R19.2 24.023,122.583 D2.1 ; R6.1 R8.1 33.742,32.56 R1.2 62.758,32.56 ; J4.1 54.376,60.5 55.753,61.877 61.321,61.877 R4.1 64.788,58.41 U1.9 ; J3.1 55.142,66.161 64.863,66.161 69.596,70.894 69.596,79.276 68.834,80.038 R2.2 ; IC2.15 57.635,94.262 58.905,95.532 58.905,109.502 ; J2.3 62.763,32.565 62.758,32.56 ; IC1.15 80.899,30.635 78.974,32.56 62.758,32.56 ; J9.1 93.238,109.883 79.987,109.883 N1.1 76.05,113.82 C1.2 66.548,109.502 IC2.8 58.905,109.502 ; J8.1 95.417,102.871 96.167,103.621 102.802,103.621 R17.1 ; IC1.8 97.155,14.506 R26.1 ; J6.1 106.172,52.352 107.823,50.701 J5.1 113.558,46.002 114.701,44.859 125.496,44.859 R14.1 R15.1 140.134,38.89 144.091,42.847 R23.1 151.638,42.847 R22.1 151.872,42.827 154.92,42.827 R21.1 ; C18.2 120.546,114.531 LM1.3 142.954,114.531 C17.2 145.316,112.169 *2.2 ; R11.2 128.925,7.902 IC3.8
  other v1: 4.962,18.932 29.962,18.932 129.962,18.932 67.462,43.932 92.462,43.932 117.462,43.932 142.462,43.932 4.962,68.932 29.962,68.932 104.962,68.932 17.462,93.932 42.462,93.932 117.462,93.932 142.462,93.932
L: C7.1 IC1.13 R5.1 SW6.2 | length 96.6
  Top Layer w0.5: SW6.2 41.111,13.597 41.168,13.541 R5.1
  Bottom Layer w0.5: C7.1 32.529,16.284 33.672,17.427 38.731,17.427 SW6.2 50.734,15.047 57.407,21.72 71.834,21.72 73.256,20.297 97.993,20.297 99.187,21.491 99.187,25.555 97.282,27.46 87.757,27.46 85.979,25.682 IC1.13
Net*1_1: *1.1 C17.1 C19.1 LM1.1 LM2.1 | length 128.1
  Bottom Layer w0.5: LM2.1 45.006,116.919 C19.1 46.355,117.63 49.149,120.424 134.163,120.424 137.004,117.583 143.402,117.583 C17.1 144.145,122.202 145.288,123.345 *1.1
NetD1_2: D1.2 L1.1 LM1.2 | length 17.5
  Top Layer w0.5: LM1.2 138.712,116.233 140.716,118.237 D1.2
  Bottom Layer w0.5: L1.1 129.413,116.233 LM1.2
NetD2_2: D2.2 L2.1 LM2.2 | length 17.1
  Top Layer w0.5: LM2.2 38.585,115.217 39.22,115.852 39.22,122.583 D2.2
  Bottom Layer w0.5: L2.1 30.48,115.217 LM2.2
NetLED1_2: LED1.2 R18.1 | length 3.3
  Bottom Layer w0.5: R18.1 108.816,112.149 108.836,112.169 LED1.2
NetLED2_2: LED2.2 R19.1 | length 5.3
  Top Layer w0.5: R19.1 11.303,119.007 LED2.2
OK: C11.1 IC1.3 R9.1 SW10.2 | length 38.6
  Bottom Layer w0.5: IC1.3 83.439,16.751 84.953,18.265 108.83,18.265 SW10.2 114.469,23.904 C11.1 117.709,23.904 R9.1
PA0: J3.2 U1.10 | length 74.6
  Top Layer w0.5: U1.10 89.032,67.158 89.032,51.976 v2(87.884,50.828)
  Bottom Layer w0.5: J3.2 55.716,67.268 55.716,67.756 55.194,68.278 52.375,68.278 51.943,67.846 51.943,54.082 55.197,50.828 v2(87.884,50.828)
PA1: J4.2 U1.11 | length 51.4
  Bottom Layer w0.5: J4.2 55.626,60.099 56.388,60.861 59.69,60.861 66.167,54.384 83.693,54.384 84.836,55.527 84.836,70.259 85.687,71.11 U1.11
PA2: J5.2 U1.12 | length 55.1
  Bottom Layer w0.5: U1.12 89.827,73.65 96.647,66.83 117.602,66.83 119.126,65.306 119.126,50.574 118.186,49.634 115.484,49.634 114.808,50.31 J5.2
PA3: J6.2 U1.13 | length 30
  Top Layer w0.5: U1.13 91.859,76.19 93.218,74.831 93.218,67.338 101.346,59.21 J6.2
PA4: J7.2 U1.14 | length 23.2
  Top Layer w0.5: U1.14 89.497,78.73 90.678,79.911 90.678,86.515 96.647,92.484 J7.2
PA5: J8.2 U1.15 | length 56.1
  Bottom Layer w0.5: U1.15 88.852,80.038 107.292,80.038 110.871,83.617 110.871,98.326 108.204,100.993 97.437,100.993 96.667,101.763 J8.2
PA6: R16.1 R17.2 U1.16 | length 23.3
  Bottom Layer w0.5: U1.16 96.02,92.21 R17.2 R16.1
PA7: J9.2 U1.17 | length 30.9
  Top Layer w0.5: U1.17 91.697,90.427 91.697,108.87 92.456,109.629 95.885,109.629 96.647,108.867 J9.2
PA8: IC3.2 U1.29 | length 159.8
  Top Layer w0.5: U1.29 72.418,94.008 78.74,94.008 81.28,91.468 81.28,44.605 102.517,23.368 102.517,6.632 104.676,4.473 132.715,4.473 134.366,6.124 134.366,21.872 135.636,23.142 IC3.2
PA9: J1.3 U1.30 | length 5.7
  Bottom Layer w0.5: J1.3 69.624,88.674 U1.30
PA10: J1.2 U1.31 | length 5.7
  Bottom Layer w0.5: J1.2 69.675,86.185 U1.31
PA11: IC1.9 U1.32 | length 75.8
  Top Layer w0.5: U1.32 77.127,86.35 78.74,84.737 78.74,43.589 96.139,26.19 IC1.9
PA12: IC1.2 U1.33 | length 71.8
  Top Layer w0.5: U1.33 75.692,80.498 75.692,21.745 80.703,16.734 80.703,15.718 IC1.2
PA15: IC1.1 U1.38 | length 70.1
  Top Layer w0.5: U1.38 74.295,79.355 74.295,16.464 75.212,15.547 78.359,15.547 IC1.1
PB0: N1.3 U1.19 | length 34.3
  Top Layer w0.5: U1.19 89.032,90.302 v2(89.032,111.28)
  Bottom Layer w0.5: N1.3 81.13,111.28 v2(89.032,111.28)
PB1: N1.4 U1.21 | length 36.6
  Top Layer w0.5: N1.4 78.73,117.709 79.159,118.138 82.415,118.138 82.669,117.884 v2(82.804,117.884) ; v2(86.487,117.757) 86.487,117.622 86.208,117.343 86.208,92.842 U1.21
  Bottom Layer w0.5: v2(82.804,117.884) 86.106,117.884 86.137,117.853 86.391,117.853 v2(86.487,117.757)
PB3: N1.5 U1.39 | length 41.8
  Top Layer w0.5: U1.39 70.945,80.165 70.945,106.787 71.882,107.724 75.314,107.724 N1.5
PB4: N1.7 U1.40 | length 42.2
  Top Layer w0.5: v2(75.974,104.295) 75.974,105.844 N1.7
  Bottom Layer w0.5: U1.40 75.974,79.784 v2(75.974,104.295)
PB5: N1.6 U1.41 | length 64.9
  Top Layer w0.5: v2(65.712,113.896) 65.712,76.05 68.113,73.65 U1.41
  Bottom Layer w0.5: v2(65.712,113.896) 65.712,116.667 66.726,117.681 79.832,117.681 81.27,116.243 N1.6
PB6: IC3.9 U1.42 | length 155.7
  Bottom Layer w0.5: U1.42 64.671,63.401 55.476,63.401 53.317,61.242 53.317,55.095 56.187,52.225 92.583,52.225 113.69,31.118 143.154,31.118 145.542,28.73 145.542,8.791 146.431,7.902 IC3.9
PB8: J2.2 U1.45 | length 20.2
  Top Layer w0.5: J2.2 65.253,58.903 U1.45
PB9: J2.1 U1.46 | length 16.6
  Top Layer w0.5: J2.1 67.818,58.928 U1.46
PB12: IC2.9 U1.25 | length 65.6
  Top Layer w0.5: IC2.9 55.118,119.281 56.185,120.348 84.023,120.348 85.21,119.161 85.21,110.991 77.219,103 73.51,103 U1.25
PB13: IC2.2 U1.26 | length 12.7
  Bottom Layer w0.5: IC2.2 65.052,94.262 U1.26
PB14: IC2.1 U1.27 | length 12.7
  Bottom Layer w0.5: IC2.1 65.052,91.722 U1.27
PB15: IC3.1 U1.28 | length 198.3
  Top Layer w0.5: U1.28 81.318,96.51 83.796,94.032 83.796,45.391 88.036,41.151 107.721,41.151 110.236,38.636 110.236,7.727 112.042,5.921 123.495,5.921 125.148,7.574 125.148,38.562 127.152,40.566 136.754,40.566 139.588,37.732 139.588,25.682 IC3.1
R: C9.1 IC1.14 R7.1 SW8.2 | length 72.1
  Top Layer w0.5: R7.1 67.945,8.938 67.945,15.903 C9.1
  Bottom Layer w0.5: SW8.2 66.094,16.03 C9.1 71.323,19.281 98.516,19.281 100.33,21.095 100.33,26.063 97.663,28.73 85.725,28.73 83.439,26.444 IC1.14
SCAN: C15.1 IC1.5 R13.1 SW13.2 | length 116.6
  Top Layer w0.5: R13.1 18.034,38.255 19.533,39.754 30.378,39.754 32.515,37.617 32.515,32.032 35.436,29.111 48.542,29.111 50.244,27.409 50.244,20.602 64.595,6.251 80.518,6.251 88.519,14.252 IC1.5
  Bottom Layer w0.5: C15.1 8.763,27.333 11.938,27.333 14.541,29.936 SW13.2 14.899,30.167 16.657,31.925 R13.1
T: C3.1 IC1.11 R1.1 SW2.2 | length 51.9
  Bottom Layer w0.5: R1.1 45.537,24.209 51.45,24.209 SW2.2 54.469,23.904 C3.1 72.136,23.904 74.701,21.339 90.526,21.339 91.059,21.872 IC1.11
pads on no net: IC1.6 IC1.7 IC1.10 IC2.7 IC2.10 IC3.6 IC3.7 IC3.10 N1.8 SW1.2 SW1.3 SW2.3 SW2.4 SW3.2 SW3.3 SW4.3 SW4.4 SW5.2 SW5.3 SW6.3 SW6.4 SW7.2 SW7.3 SW8.3 SW8.4 SW9.2 SW9.3 SW10.3 SW10.4 SW11.2 SW11.3 SW12.3 SW12.4 SW13.3 SW13.4 SW14.2 SW14.3 SW15.2 SW15.3 U1.1 U1.2 U1.3 U1.4 U1.7 U1.18 U1.22 U1.35 U1.36 U1.43 U1.47 U1.48

## Polygon pours and split planes (outlines as drawn)
GND on Bottom Layer "Bottom Layer-GND" (solid, remove dead copper, pour order 0): 0,0 0,130 160,130 160,0
GND on Top Layer "Top Layer-GND" (solid, remove dead copper, pour order 1): 0,0 0,130 160,130 160,0

## Keep-outs
Keep-Out Layer:
  the board outline again, w0.254

## Silkscreen, mask and mechanical layers (free items; w line width, h text height)
Top Overlay:
  drawing of 2634 lines, arcs and shapes, not listed